# Altium PCB JacdacMicroBitBackPackHi 119.PcbDoc
Units mm, origin at the board's own origin, x right, y up, seen from the top; angles counter-clockwise.
Board outline 51.6 x 51 mm, 2 copper layers (Top Layer, Bottom Layer), stack 1.525 mm thick; 45 components, 37 nets, 159 pads, 8 vias.
Unrouted connection lines stored in the file: 42.
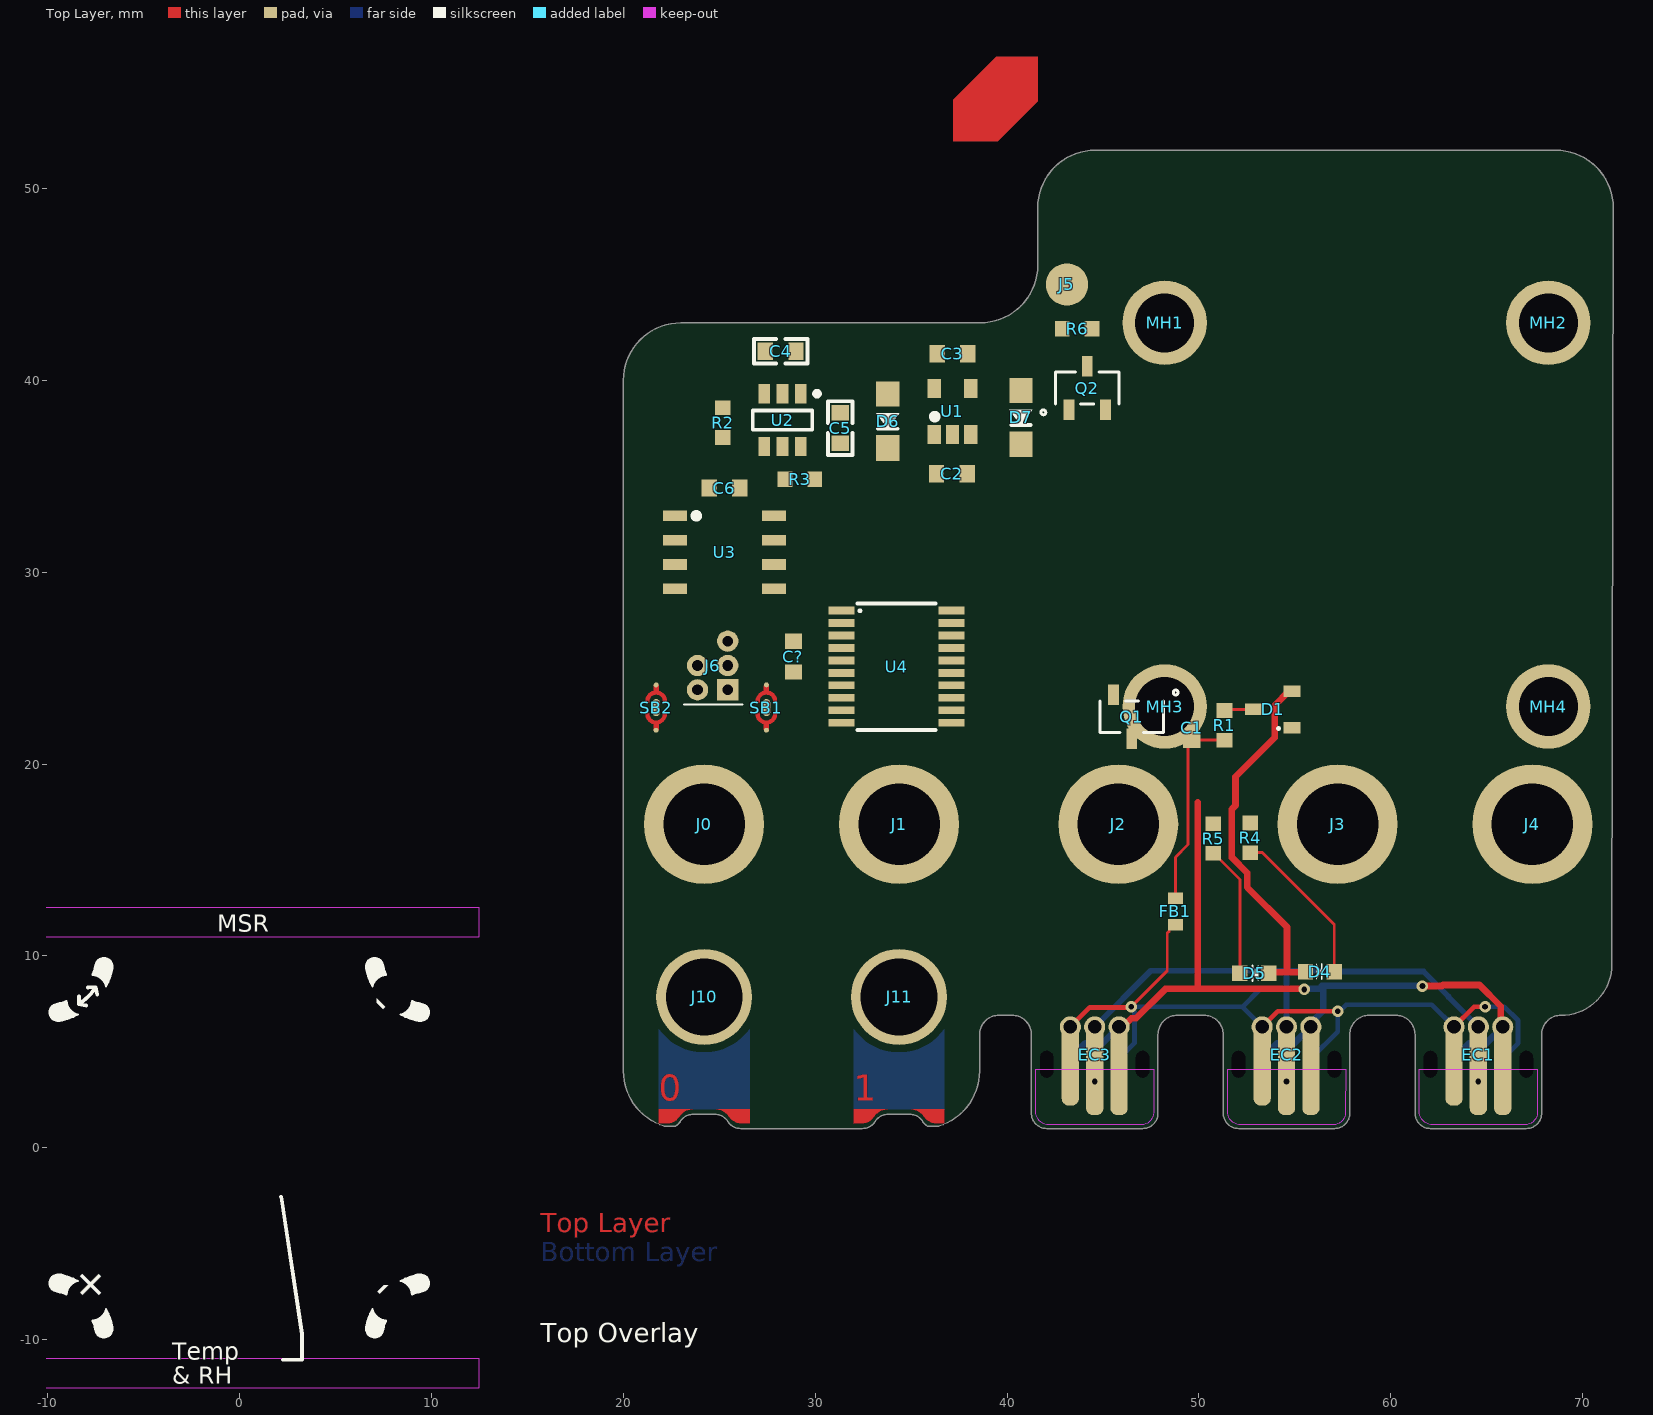
[diagram p0: Top Layer view]
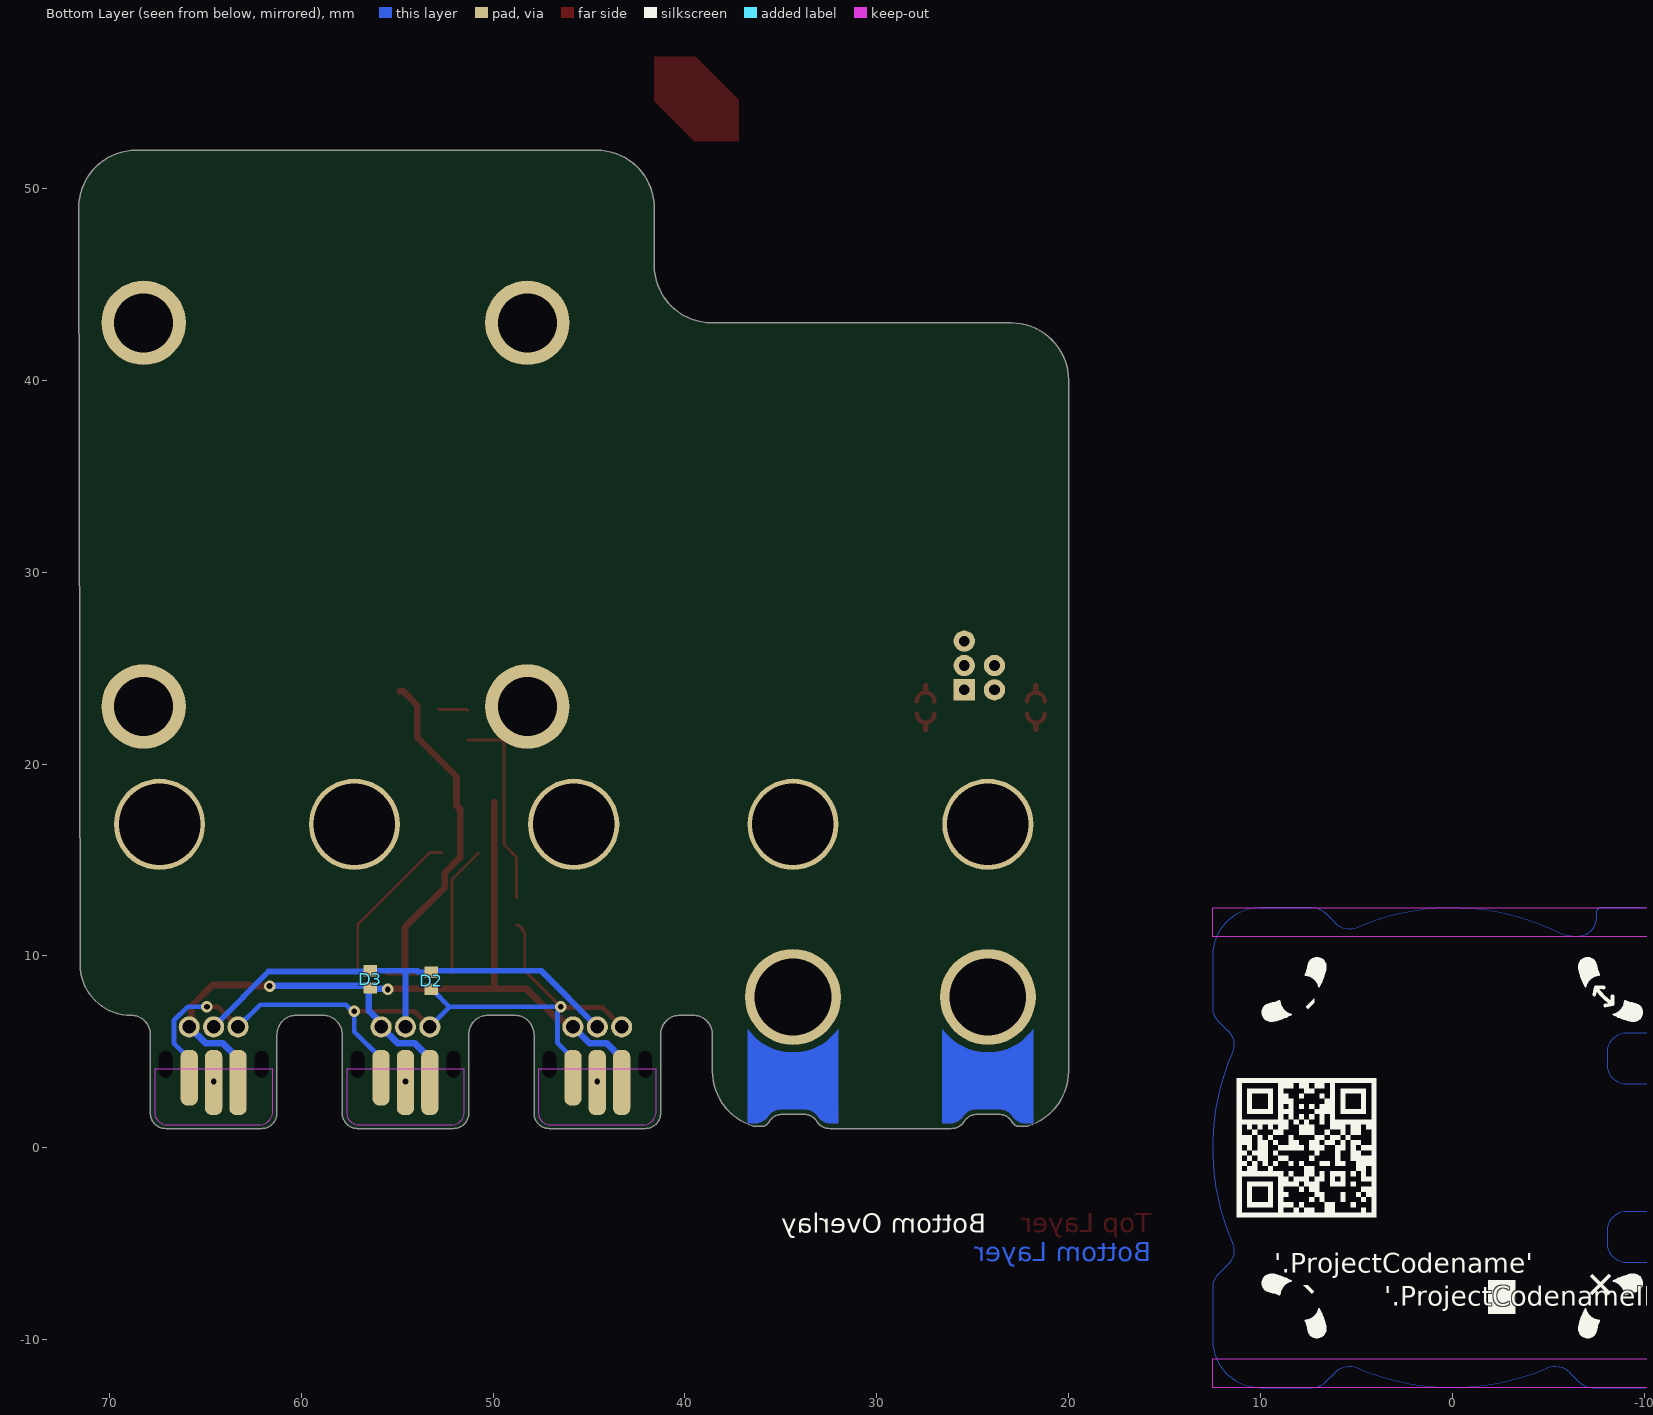
[diagram p1: Bottom Layer view, seen from below]

## Layer stack, top to bottom
Top Solder: solder mask 0.0102, Solder Resist, Dk 3.5
Top Layer: signal copper 0.0356
Dielectric 1: core 1.454, FR-4, Dk 4.2
Bottom Layer: signal copper 0.0356
Bottom Solder: solder mask 0.0102, Solder Resist, Dk 3.5

## Board outline
22.138,1.127 22.731,1.127 22.731,1.128 ccw(c22.302,1.785) 22.992,1.411 22.991,1.411 cw(c23.629,0.957) 23.629,1.74 23.629,1.739 24.78,1.739 24.78,1.74 cw(c24.78,0.957) 25.418,1.411 ccw(c26.107,1.785) 26.107,1.001 26.107,1 32.463,1 32.463,1.001 ccw(c32.463,1.785) 33.152,1.411 cw(c33.79,0.957) 33.79,1.74 33.79,1.739 34.94,1.739 34.94,1.74 cw(c34.94,0.957) 35.578,1.411 ccw(c36.267,1.785) 35.838,1.128 35.838,1.127 36.431,1.127 ccw(c35.569,4) 38.569,4 38.569,5.9 cw(c39.569,5.9) 39.569,6.9 40.269,6.9 40.269,6.902 cw(c40.269,5.902) 41.269,5.902 41.269,5.9 41.269,1.8 ccw(c42.069,1.8) 42.069,1 47.069,1 ccw(c47.069,1.8) 47.869,1.8 47.869,1.799 47.869,5.9 cw(c48.869,5.9) 48.869,6.9 48.869,6.901 50.269,6.9 cw(c50.269,5.9) 51.269,5.9 51.269,1.8 ccw(c52.069,1.8) 52.069,1 57.069,1 ccw(c57.069,1.8) 57.869,1.8 57.869,1.799 57.869,5.9 cw(c58.869,5.9) 58.869,6.9 58.869,6.902 60.269,6.901 60.269,6.9 cw(c60.269,5.9) 61.269,5.9 61.269,1.8 ccw(c62.069,1.8) 62.069,1 67.069,1 ccw(c67.069,1.8) 67.869,1.8 67.869,1.799 67.869,5.9 cw(c68.869,5.9) 68.869,6.9 ccw(c68.869,9.56) 71.529,9.56 71.533,9.56 71.6,49 ccw(c68.6,49) 68.6,52 44.6,52 ccw(c44.6,49) 41.6,49 41.6,46 cw(c38.6,46) 38.6,43 23,43 ccw(c23,40) 20,40 20,4 ccw(c23,4)

## Design rules (kind name [scope] priority, off if disabled: settings)
AssemblyTestPointUsage [All] p1: valid=2
BoardOutlineClearance [All] p1: gap=0.3 ignorepadtopadclearanceinfootprint=FALSE except(0: Arc-SplitContinuation Track-SplitContinuation SMDPad-SplitContinuation THPad-SplitContinuation Via-SplitContinuation Fill-SplitContinuation Poly-SplitContinuation Region-OutlineEdge Region-SplitContinuation Text-OutlineEdge Text-SplitContinuation; 0.2: Track-OutlineEdge Fill-CavityEdge Fill-CutoutEdge Fill-SplitBarrior Poly-CavityEdge Poly-CutoutEdge Poly-SplitBarrior Text-CavityEdge Text-CutoutEdge Text-SplitBarrior; 0.25: SMDPad-OutlineEdge)
Clearance "Clearance MH" [InComponent('MH1') OR InComponent('MH2') OR InComponent('MH3') OR InComponent('MH4')] p1: gap=0.125 ignorepadtopadclearanceinfootprint=FALSE except(0: Arc-Hole Track-Hole SMDPad-Hole THPad-Hole Via-Hole Fill-Hole Poly-Hole Region-Hole Text-Hole; 0.8: Arc-Fill Arc-Poly Arc-Region Track-Fill Track-Poly Track-Region SMDPad-Fill SMDPad-Poly SMDPad-Region THPad-Fill THPad-Poly THPad-Region Via-Fill Via-Poly Via-Region Fill-Fill Fill-Poly Fill-Region Poly-Poly Poly-Region Region-Region)
Clearance [All] p2: gap=0.125 ignorepadtopadclearanceinfootprint=FALSE except(0: Arc-Hole Track-Hole SMDPad-Hole THPad-Hole Via-Hole Fill-Hole Poly-Hole Region-Hole Text-Hole)
ComponentClearance [All] p1: gap=0.1 collisioncheckmode=3 verticalgap=0.254 showdistances=FALSE
DiffPairsRouting [All] p1: maxlimit=2 minlimit=0.15 mostfreqgap=0.15 toplayer_minwidth=0.15 toplayer_maxwidth=2 toplayer_prefwidth=0.15 bottomlayer_minwidth=0.15 bottomlayer_maxwidth=2 bottomlayer_prefwidth=0.15 substack1={CB9D278B-8BF5-444A-AAF4-837A2A9DF42D} toplayer_{cb9d278b-8bf5-444a-aaf4-837a2a9df42d}_minwidth=0.381 toplayer_{cb9d278b-8bf5-444a-aaf4-837a2a9df42d}_maxwidth=0.381 toplayer_{cb9d278b-8bf5-444a-aaf4-837a2a9df42d}_prefwidth=0.381 bottomlayer_{cb9d278b-8bf5-444a-aaf4-837a2a9df42d}_minwidth=0.381 bottomlayer_{cb9d278b-8bf5-444a-aaf4-837a2a9df42d}_maxwidth=0.381 bottomlayer_{cb9d278b-8bf5-444a-aaf4-837a2a9df42d}_prefwidth=0.381 substack2={826B8647-A721-4255-895A-19F9591B9CD1} toplayer_{826b8647-a721-4255-895a-19f9591b9cd1}_minwidth=0.381 toplayer_{826b8647-a721-4255-895a-19f9591b9cd1}_maxwidth=0.381 toplayer_{826b8647-a721-4255-895a-19f9591b9cd1}_prefwidth=0.381 bottomlayer_{826b8647-a721-4255-895a-19f9591b9cd1}_minwidth=0.381 bottomlayer_{826b8647-a721-4255-895a-19f9591b9cd1}_maxwidth=0.381 bottomlayer_{826b8647-a721-4255-895a-19f9591b9cd1}_prefwidth=0.381 substack3={E64FCAF4-1BC8-437D-B1E0-0E5F2DC0F59E} toplayer_{e64fcaf4-1bc8-437d-b1e0-0e5f2dc0f59e}_minwidth=0.381 toplayer_{e64fcaf4-1bc8-437d-b1e0-0e5f2dc0f59e}_maxwidth=0.381 toplayer_{e64fcaf4-1bc8-437d-b1e0-0e5f2dc0f59e}_prefwidth=0.381 bottomlayer_{e64fcaf4-1bc8-437d-b1e0-0e5f2dc0f59e}_minwidth=0.381 bottomlayer_{e64fcaf4-1bc8-437d-b1e0-0e5f2dc0f59e}_maxwidth=0.381 bottomlayer_{e64fcaf4-1bc8-437d-b1e0-0e5f2dc0f59e}_prefwidth=0.381 substack4={E61CE66C-507C-4E1E-8E83-C905434AFC1C} toplayer_{e61ce66c-507c-4e1e-8e83-c905434afc1c}_minwidth=0.381 toplayer_{e61ce66c-507c-4e1e-8e83-c905434afc1c}_maxwidth=0.381 toplayer_{e61ce66c-507c-4e1e-8e83-c905434afc1c}_prefwidth=0.381 bottomlayer_{e61ce66c-507c-4e1e-8e83-c905434afc1c}_minwidth=0.381 bottomlayer_{e61ce66c-507c-4e1e-8e83-c905434afc1c}_maxwidth=0.381 bottomlayer_{e61ce66c-507c-4e1e-8e83-c905434afc1c}_prefwidth=0.381 maxuncoupledlength=25
FabricationTestPointUsage [All] p1: valid=2 allowmultiple=FALSE
HoleSize [All] p1: absolutevalues=TRUE maxlimit=5 minlimit=0.15 maxpercent=80.000 minpercent=20.000
MinimumAnnularRing [All] p1: minimumring=0.125
MinimumSolderMaskSliver [All] p1: minsoldermaskwidth=0.005
PlaneClearance [All] p1: clearance=0.3
PlaneConnect "PlaneConnect MH" [InComponent('MH1') OR InComponent('MH2') OR InComponent('MH3') OR InComponent('MH4')] p1: planeconnectstyle=Relief reliefexpansion=0.5 reliefentries=4 reliefconductorwidth=0.5 reliefairgap=0.4
PlaneConnect [All] p2: planeconnectstyle=Relief reliefexpansion=0.5 reliefentries=4 reliefconductorwidth=0.2 reliefairgap=0.3
PolygonConnect "PolygonConnect MH" [InComponent('MH1') OR InComponent('MH2') OR InComponent('MH3') OR InComponent('MH4')] p1: connectstyle=Relief reliefconductorwidth=0.5 reliefentries=4 polygonreliefangle="90 Angle" airgapwidth=0.8
PolygonConnect [All] p2: connectstyle=Relief reliefconductorwidth=0.2 reliefentries=4 polygonreliefangle="90 Angle" airgapwidth=0.2
RoutingVias [All] p1: holewidth=0.3 width=0.6 viastyle="Through Hole" minholewidth=0.3 minwidth=0.6 maxholewidth=0.5 maxwidth=0.8
SilkToSilkClearance [All] p1: silktosilkclearance=0.001
SilkToSolderMaskClearance [IsPad] p1: minsilkscreentomaskgap=0.05 clearancetoexposedcopper=TRUE
SolderMaskExpansion [All] p1: expansion=0.075 istentingtop=FALSE
Width [All] p1: maxlimit=2 minlimit=0.125 preferedwidth=0.15 substack1={CB9D278B-8BF5-444A-AAF4-837A2A9DF42D} toplayer_{cb9d278b-8bf5-444a-aaf4-837a2a9df42d}_minwidth=0.15 bottomlayer_{cb9d278b-8bf5-444a-aaf4-837a2a9df42d}_minwidth=0.15 substack2={826B8647-A721-4255-895A-19F9591B9CD1} toplayer_{826b8647-a721-4255-895a-19f9591b9cd1}_minwidth=0.15 bottomlayer_{826b8647-a721-4255-895a-19f9591b9cd1}_minwidth=0.15 substack3={E64FCAF4-1BC8-437D-B1E0-0E5F2DC0F59E} toplayer_{e64fcaf4-1bc8-437d-b1e0-0e5f2dc0f59e}_minwidth=0.15 bottomlayer_{e64fcaf4-1bc8-437d-b1e0-0e5f2dc0f59e}_minwidth=0.15 substack4={E61CE66C-507C-4E1E-8E83-C905434AFC1C} toplayer_{e61ce66c-507c-4e1e-8e83-c905434afc1c}_minwidth=0.15 bottomlayer_{e61ce66c-507c-4e1e-8e83-c905434afc1c}_minwidth=0.15 minimp=50.000000 maximp=50.000000 favimp=50.000000
20 further rules are at their usual default settings.

## Components (designator, comment, footprint, x,y, rotation, side; value= is the part's Value field where it differs from the comment)
C1 "33 pF" CC0603 49.619,21.903 r270 top
C2 "1uF 16V" "C0603 - without outline" 37.125,35.131 r180 top
C3 "1uF 16V" "C0603 - without outline" 37.156,41.385 r180 top
C4 "CL10A475KP8NNNC" C0603 28.199,41.514 r0 top
C5 "CL10A475KP8NNNC" C0603 31.304,37.516 r270 top
C6 "1uF 16V" "C0603 - without outline" 25.271,34.389 r180 top
C? "1uF 16V" "C0603 - without outline" 28.864,25.595 r90 top
D1 "BAT54S" "NXP-BAT54S-TO-236AB - WITHOUT OUTLINE" 53.853,22.852 r180 top
D2 "RCLAMP0521P-N" "TVS 0402 - XL" 53.236,8.7 r90 bottom
D3 "RCLAMP0521P-N" "TVS 0402 - XL" 56.407,8.781 r90 bottom
D4 "Everlight Elec'''" "0603 Orange" 56.307,9.181 r180 top
D5 "Everlight Elec'''" "0603 Green" 52.886,9.1 r0 top
D6 "PMEG2010ER,115" SOD-123W 33.781,37.881 r90 top
D7 "PMEG2010ER,115" SOD-123W 40.718,38.071 r90 top
EC1 "3 pin JACDAC edge connector" JACDAC_EDGE_CONNECTOR_NO_TRACES 64.569,6.85 r180 top
EC2 "3 pin JACDAC edge connector" JACDAC_EDGE_CONNECTOR_NO_TRACES 54.569,6.85 r180 top
EC3 "3 pin JACDAC edge connector" JACDAC_EDGE_CONNECTOR_NO_TRACES 44.569,6.85 r180 top
FB1 "TDK MPZ1608S102ATA00" "TDK MPZ1608 0.8mm - without outline" 48.781,12.314 r90 top
J0 "SMT nut" SMTSO-M3-3ET 24.21,16.86 r0 top
J1 "SMT nut" SMTSO-M3-3ET 34.37,16.86 r0 top
J2 "SMT nut" SMTSO-M3-2ET 45.8,16.86 r0 top
J3 "SMT nut" SMTSO-M3-3ET 57.23,16.86 r0 top
J4 "SMT nut" SMTSO-M3-3ET 67.39,16.86 r0 top
J5 "Pogo pin" HARWIN-P70-1000045R 43.125,45 r0 top
J6 "Hack Connect Mini 1.27 mm pitch 2-row" HACK_CONNECT_MINI_5_X_1_27_0.559mm_TH 25.439,23.867 r0 top
J10 "micro:bit ring hole" MICROBIT_V2_EDGE_CONNECTOR_RING_P0 24.21,7.86 r0 top
J11 "micro:bit ring hole" MICROBIT_V2_EDGE_CONNECTOR_RING_P1 34.37,7.86 r0 top
MH1 "MH_7.0MMK_4.4MMC_3.1MMD_PTH" MH_7.0MMK_4.4MMC_3.1MMD_PTH 48.216,43 r0 top
MH2 "MH_7.0MMK_4.4MMC_3.1MMD_PTH" MH_7.0MMK_4.4MMC_3.1MMD_PTH 68.216,43 r180 top
MH3 "MH_7.0MMK_4.4MMC_3.1MMD_PTH" MH_7.0MMK_4.4MMC_3.1MMD_PTH 48.216,23 r0 top
MH4 "MH_7.0MMK_4.4MMC_3.1MMD_PTH" MH_7.0MMK_4.4MMC_3.1MMD_PTH 68.216,23 r180 top
Q1 "2N7002K" SOT23-ONS 46.506,22.46 r180 top
Q2 "2N7002K" SOT23-ONS 44.179,39.603 r0 top
R1 "220R" RC0603 51.334,22.02 r90 top
R2 "220R" RC0603 25.188,37.795 r90 top
R3 "28.7k" RC0603 29.202,34.85 r180 top
R4 "1k" RC0603 52.68,16.155 r90 top
R5 "1k" RC0603 50.755,16.115 r90 top
R6 "RC0603FR-0720RL" RC0603 43.657,42.699 r180 top
SB1 "Three way open solder blob" ThreeWaySolderBlob 27.457,22.184 r90 top
SB2 "Three way open solder blob" ThreeWaySolderBlob 21.707,22.184 r90 top
U1 "ME6211C33M5G-N" MICRONE-SOT23-5 37.156,38.385 r90 top
U2 "TPS2553DBVR" TI-TPS2553 28.295,37.93 r270 top
U3 "PFS122-S08" SOP-8 25.274,31.038 r0 top
U4 "STM32G030F6P6" 20-TSSOP 34.238,25.075 r0 top

## Footprints (in the part's own frame and the unit in brackets; to place one, negate y for a bottom-side part, rotate by r counter-clockwise, add the part's x,y. Pads: shape width x height; smd on the part's side, far side on the other; paste and mask are expansions set on the pad)
20-TSSOP [mm]
  rect 1.35x0.4 smd: 1(-2.875,2.925) 2(-2.875,2.275) 3(-2.875,1.625) 4(-2.875,0.975) 5(-2.875,0.325) 6(-2.875,-0.325) 7(-2.875,-0.975) 8(-2.875,-1.625) 9(-2.875,-2.275) 10(-2.875,-2.925) 11(2.875,-2.925) 12(2.875,-2.275) 13(2.875,-1.625) 14(2.875,-0.975) 15(2.875,-0.325) 16(2.875,0.325) 17(2.875,0.975) 18(2.875,1.625) 19(2.875,2.275) 20(2.875,2.925)
  silkscreen extent -2.03,-3.3 2.03,3.3, body extent -3.3,-3.3 3.3,3.3, height 1.2
"0603 Green" [mm]
  rect 0.8x0.8 smd paste-0.05: 1(-0.75,0) 2(0.75,0)
  silkscreen extent -0.1,-0.4 0.2,0.4, body extent -0.79,-0.4 0.81,0.4, height 0.4
"0603 Orange" [mm]
  rect 0.8x0.8 smd paste-0.05: 1(-0.75,0) 2(0.75,0)
  silkscreen extent -0.1,-0.4 0.2,0.4, body extent -0.79,-0.4 0.81,0.4, height 0.4
C0603 [mm]
  rect 0.8x0.9 smd: 1(-0.8,0) 2(0.8,0)
  silkscreen extent -1.4,-0.64 1.4,0.64, body extent -0.9,-0.5 0.9,0.5, height 1.2
"C0603 - without outline" [mm]
  rect 0.8x0.9 smd: 1(-0.8,0) 2(0.8,0)
  body extent -0.9,-0.5 0.9,0.5, height 0.9
CC0603 [mil]
  rect 32x36 smd: 1(-25.5,0) 2(25.5,0)
  body extent -33,-18 34,18, height 36
HACK_CONNECT_MINI_5_X_1_27_0.559mm_TH [mm] "50mil by 62mil pitch 22mil TH"
  rect 1.11x1.11 hole 0.559: 1(0,0)
  round 1.11 hole 0.559: 2(-1.575,0) 3(0,1.27) 4(-1.575,1.27) 5(0,2.54)
  silkscreen extent -2.29,-0.76 0.76,-0.76
HARWIN-P70-1000045R [mm] "Coin Cell Battery Holder CR2032, SMD"
  round 2.2 smd: 1(0,0)
  body extent -1,-1 1,1, height 3.5
JACDAC_EDGE_CONNECTOR_NO_TRACES [mm] "Jacdac 3 pin connector with no traces"
  rrect78% 0.9x2.9 smd far side paste-1 mask+0: 1(-1.27,3.2)
  rrect78% 0.9x4.3 smd paste-1 mask+0: 1(1.27,2.5)
  round 1.1 hole 0.71 paste-0.254 mask+0: 1(1.27,0.55) 2(0,0.55) 3(-1.27,0.55)
  rrect78% 0.9x3.4 smd far side paste-1 mask+0: 2(0,3.45) 2(0,3.45) 3(1.27,3.45)
  rrect78% 0.9x4.8 smd paste-1 mask+0: 2(0,2.75) 3(-1.27,2.75)
  round 0 hole 0.7 slot 1.4 at 90 deg unplated: ""(-2.5,2.5) ""(2.5,2.5)
  Top Layer keep-out region: -3.075,2.75 -3.07,5.033 -2.987,5.341 -2.761,5.567 -2.453,5.65 -2.453,5.65 2.27,5.65 2.545,5.635 2.794,5.516 2.978,5.31 3.07,5.05 3.07,5.05 3.07,2.75
  Bottom Layer lines w0.2: -1.126,0.85 -1.27,0.85
  Bottom Layer keep-out region: -3.07,2.75 -3.07,5.033 -3.023,5.269 -2.889,5.469 -2.689,5.603 -2.453,5.65 -2.453,5.65 2.27,5.65 2.546,5.635 2.794,5.516 2.978,5.31 3.07,5.05 3.07,5.05 3.07,2.75
MH_7.0MMK_4.4MMC_3.1MMD_PTH [mm] "Jacdac mounting hole 7.0mm clearance, 4.4 annualar ring and 3.1mm PTH"
  round 4.4 hole 3.08 mask+0.3: 1(0,0)
MICROBIT_V2_EDGE_CONNECTOR_RING_P0 [mm]
  round 5 hole 4 paste-5: 1(0,0)
  Top Layer region: -0.622,-5.867 -0.998,-5.961 -1.285,-6.22 -1.285,-6.22 -1.284,-6.221 -1.574,-6.497 -1.962,-6.597 -1.962,-6.597 -1.962,-6.597 -2.362,-6.598 -2.362,-5.867
  Top Layer region: 0.625,-5.863 1.001,-5.956 1.288,-6.215 1.288,-6.215 1.286,-6.217 1.577,-6.492 1.965,-6.593 1.965,-6.593 1.965,-6.593 2.365,-6.594 2.365,-5.863
  Bottom Layer region: -0.622,-5.863 -0.998,-5.957 -1.285,-6.216 -1.285,-6.216 -1.284,-6.217 -1.574,-6.493 -1.962,-6.593 -1.962,-6.593 -1.962,-6.593 -2.362,-6.595 -2.362,-5.864
  Bottom Layer region: 0.625,-5.859 1.001,-5.953 1.288,-6.212 1.288,-6.212 1.286,-6.213 1.577,-6.489 1.965,-6.589 1.965,-6.589 1.965,-6.589 2.365,-6.59 2.365,-5.859
  Bottom Layer region: -2.365,-5.863 -2.365,-1.675 -1.331,-2.573 0,-2.896 1.331,-2.573 2.365,-1.675 2.365,-1.675 2.365,-5.859 2.37,-5.863
MICROBIT_V2_EDGE_CONNECTOR_RING_P1 [mm]
  round 5 hole 4 paste-5: 1(0,0)
  Top Layer region: 0.625,-5.863 1.001,-5.956 1.288,-6.215 1.288,-6.215 1.286,-6.217 1.577,-6.492 1.965,-6.593 1.965,-6.593 1.965,-6.593 2.365,-6.594 2.365,-5.863
  Top Layer region: -0.622,-5.867 -0.998,-5.961 -1.285,-6.22 -1.285,-6.22 -1.284,-6.221 -1.574,-6.497 -1.962,-6.597 -1.962,-6.597 -1.962,-6.597 -2.362,-6.598 -2.362,-5.867
  Bottom Layer region: -2.365,-5.863 -2.365,-1.675 -1.331,-2.573 0,-2.896 1.331,-2.573 2.365,-1.675 2.365,-1.675 2.365,-5.859 2.37,-5.863
  Bottom Layer region: 0.625,-5.859 1.001,-5.953 1.288,-6.212 1.288,-6.212 1.286,-6.213 1.577,-6.489 1.965,-6.589 1.965,-6.589 1.965,-6.589 2.365,-6.59 2.365,-5.859
  Bottom Layer region: -0.622,-5.863 -0.998,-5.957 -1.285,-6.216 -1.285,-6.216 -1.284,-6.217 -1.574,-6.493 -1.962,-6.593 -1.962,-6.593 -1.962,-6.593 -2.362,-6.595 -2.362,-5.864
MICRONE-SOT23-5 [mm]
  rect 1x0.7 smd: 1(-1.2,0.95) 2(-1.2,0) 3(-1.2,-0.95) 4(1.2,-0.95) 5(1.2,0.95)
  silkscreen extent -0.32,0.87 -0.23,0.97, body extent -1.32,-1.5 1.32,1.5, height 1.11
"NXP-BAT54S-TO-236AB - WITHOUT OUTLINE" [mm] "SOT23, 3-Leads, Body 2.90x2.30mm, Pitch 0.95mm, IPC Medium Density"
  rect 0.9x0.6 smd: 1(-1,0.95) 2(-1,-0.95) 3(1,0)
  silkscreen extent -0.35,0.95 -0.25,1.05, body extent -1.32,-1.5 1.32,1.5, height 1.12
RC0603 [mil]
  rect 30x32 smd: 1(-30.5,0) 2(30.5,0)
  body extent -31,-16 32,16, height 28
SMTSO-M3-2ET [mm]
  round 6.25 / inner round 6.25 / far side round 4.75 hole 4.25: 1(0,0)
  body extent -2.78,-2.78 2.78,2.78, height 2
SMTSO-M3-3ET [mm]
  round 6.25 / inner round 6.25 / far side round 4.75 hole 4.25: 1(0,0)
  body extent -2.78,-2.78 2.78,2.78, height 3
SOD-123W [mm]
  rect 1.35x1.2 smd: 1(-1.4,0)
  rect 1.3x1.2 smd: 2(1.4,0)
  silkscreen extent -0.4,-0.6 0.4,0.6, body extent -1.85,-0.95 1.85,0.95, height 1.09
SOP-8 [mm] "Pitch:1.27mm,Width:150mil"
  rect 1.25x0.55 smd: 1(-2.575,1.905) 2(-2.575,0.635) 3(-2.575,-0.635) 4(-2.575,-1.905) 5(2.575,-1.905) 6(2.575,-0.635) 7(2.575,0.635) 8(2.575,1.905)
  silkscreen extent -1.52,1.85 -1.43,1.95, body extent -3,-2.55 3,2.54, height 1.3
SOT23-ONS [mil]
  rect 22x42 smd: 1(-37.5,-45) 2(37.5,-45) 3(0,45)